# Altium PCB PCB.PcbDoc (part 1 of 5) (continued)
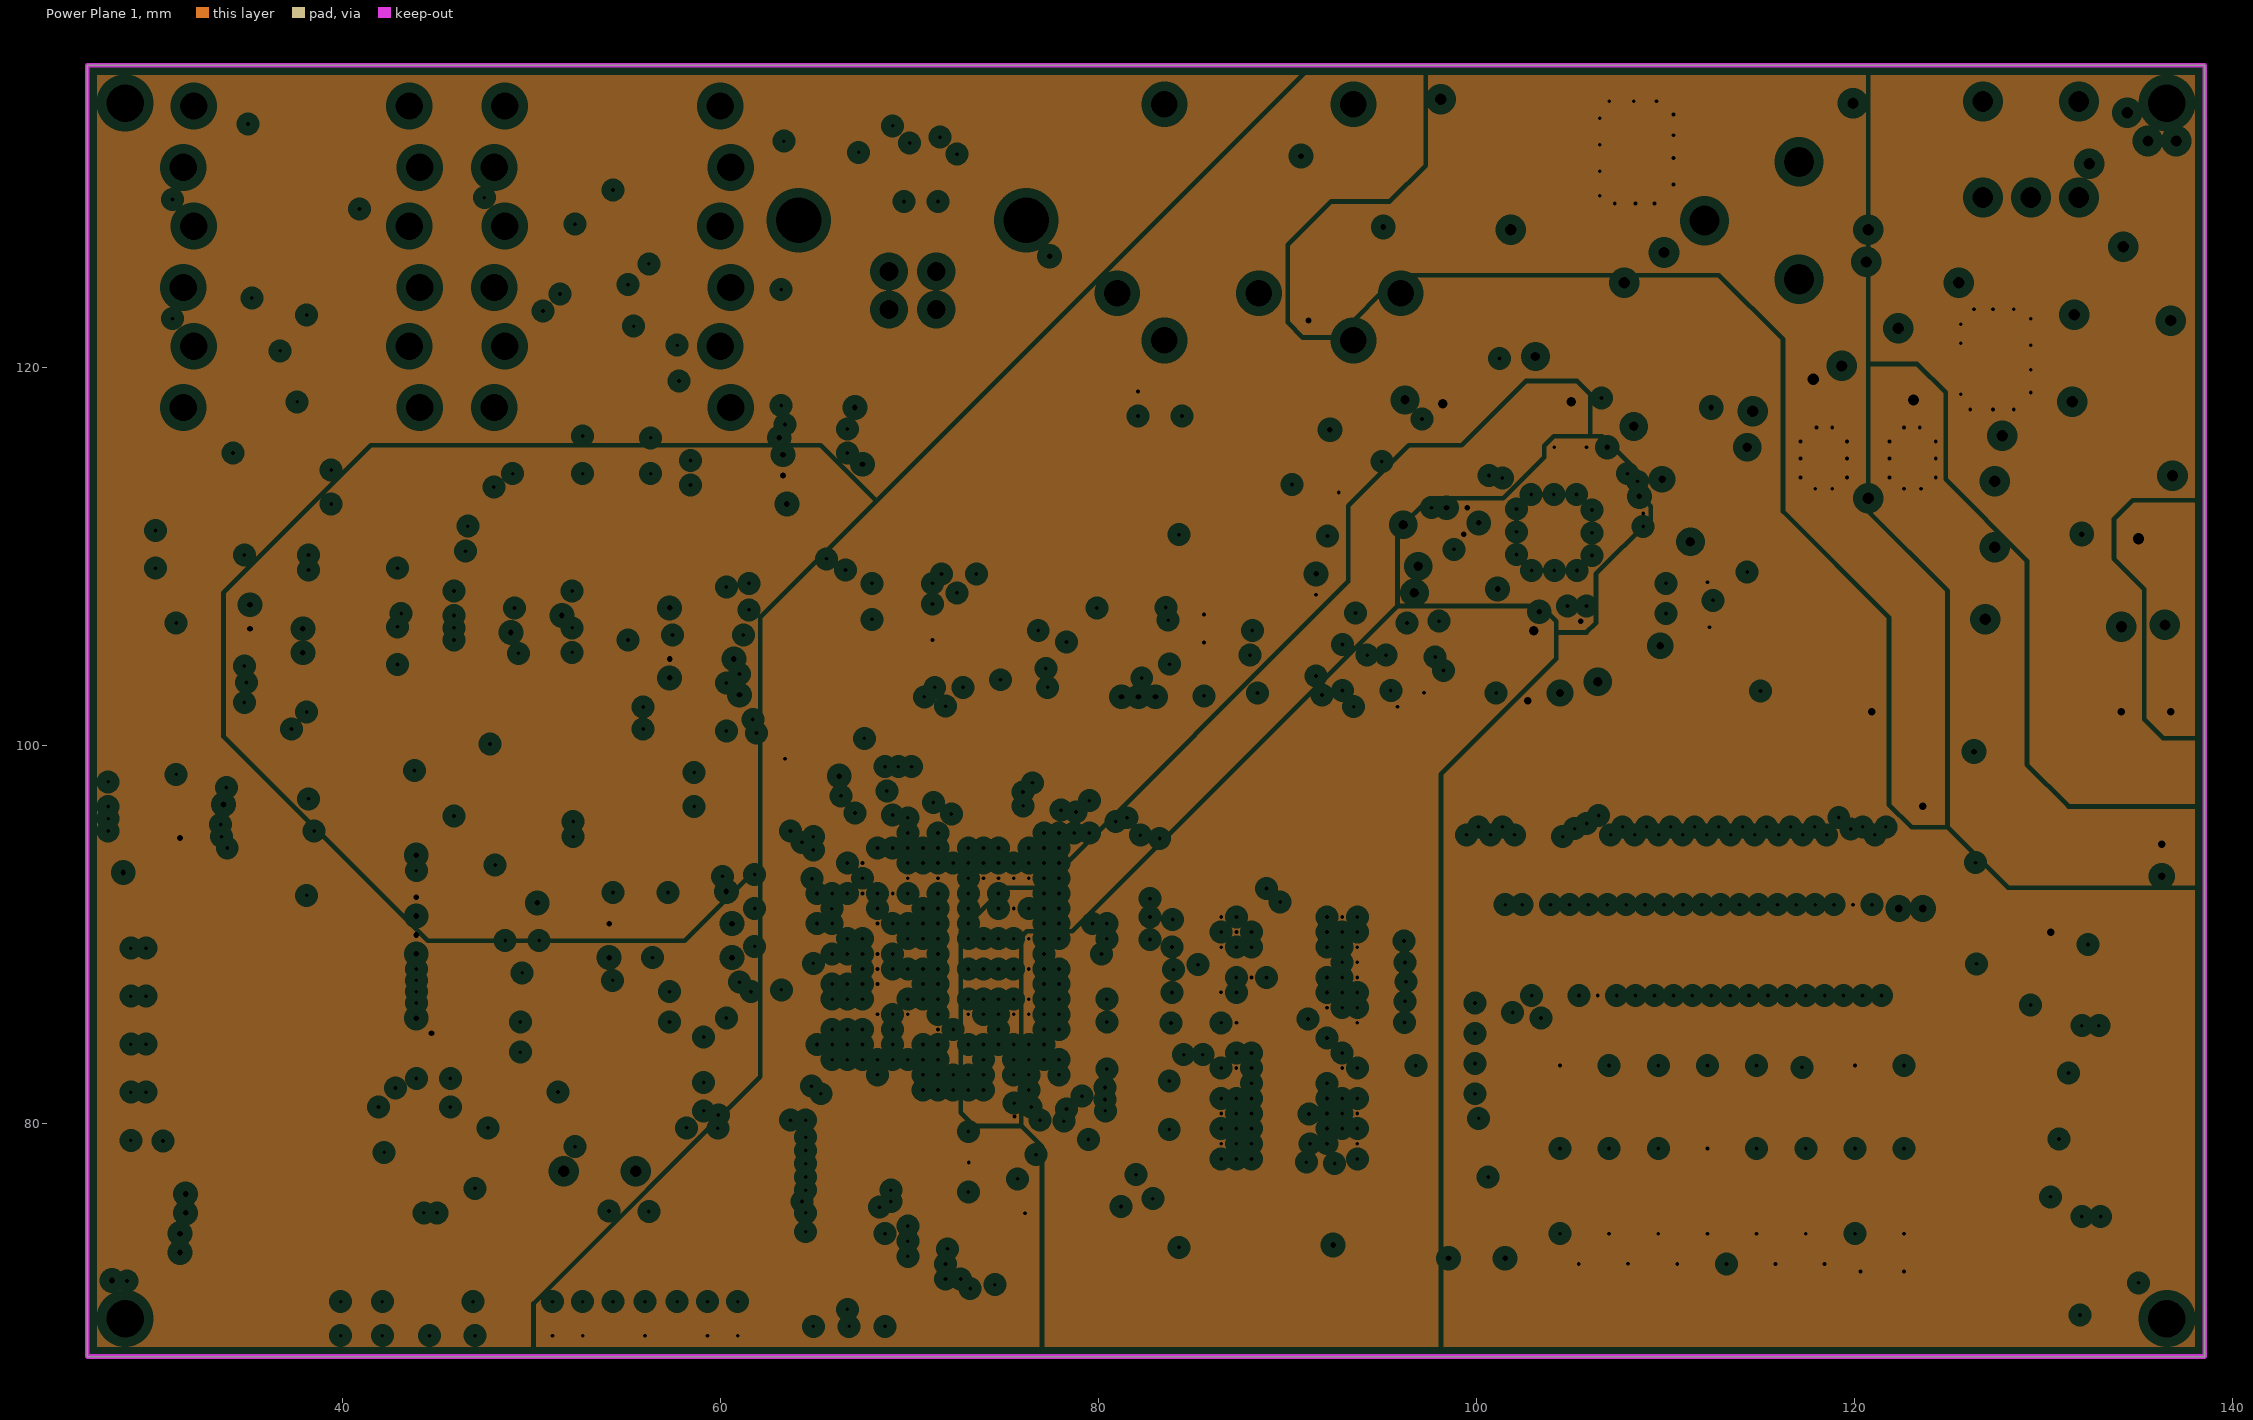
[diagram p4: Power Plane 1, clearances drawn from the general rule]
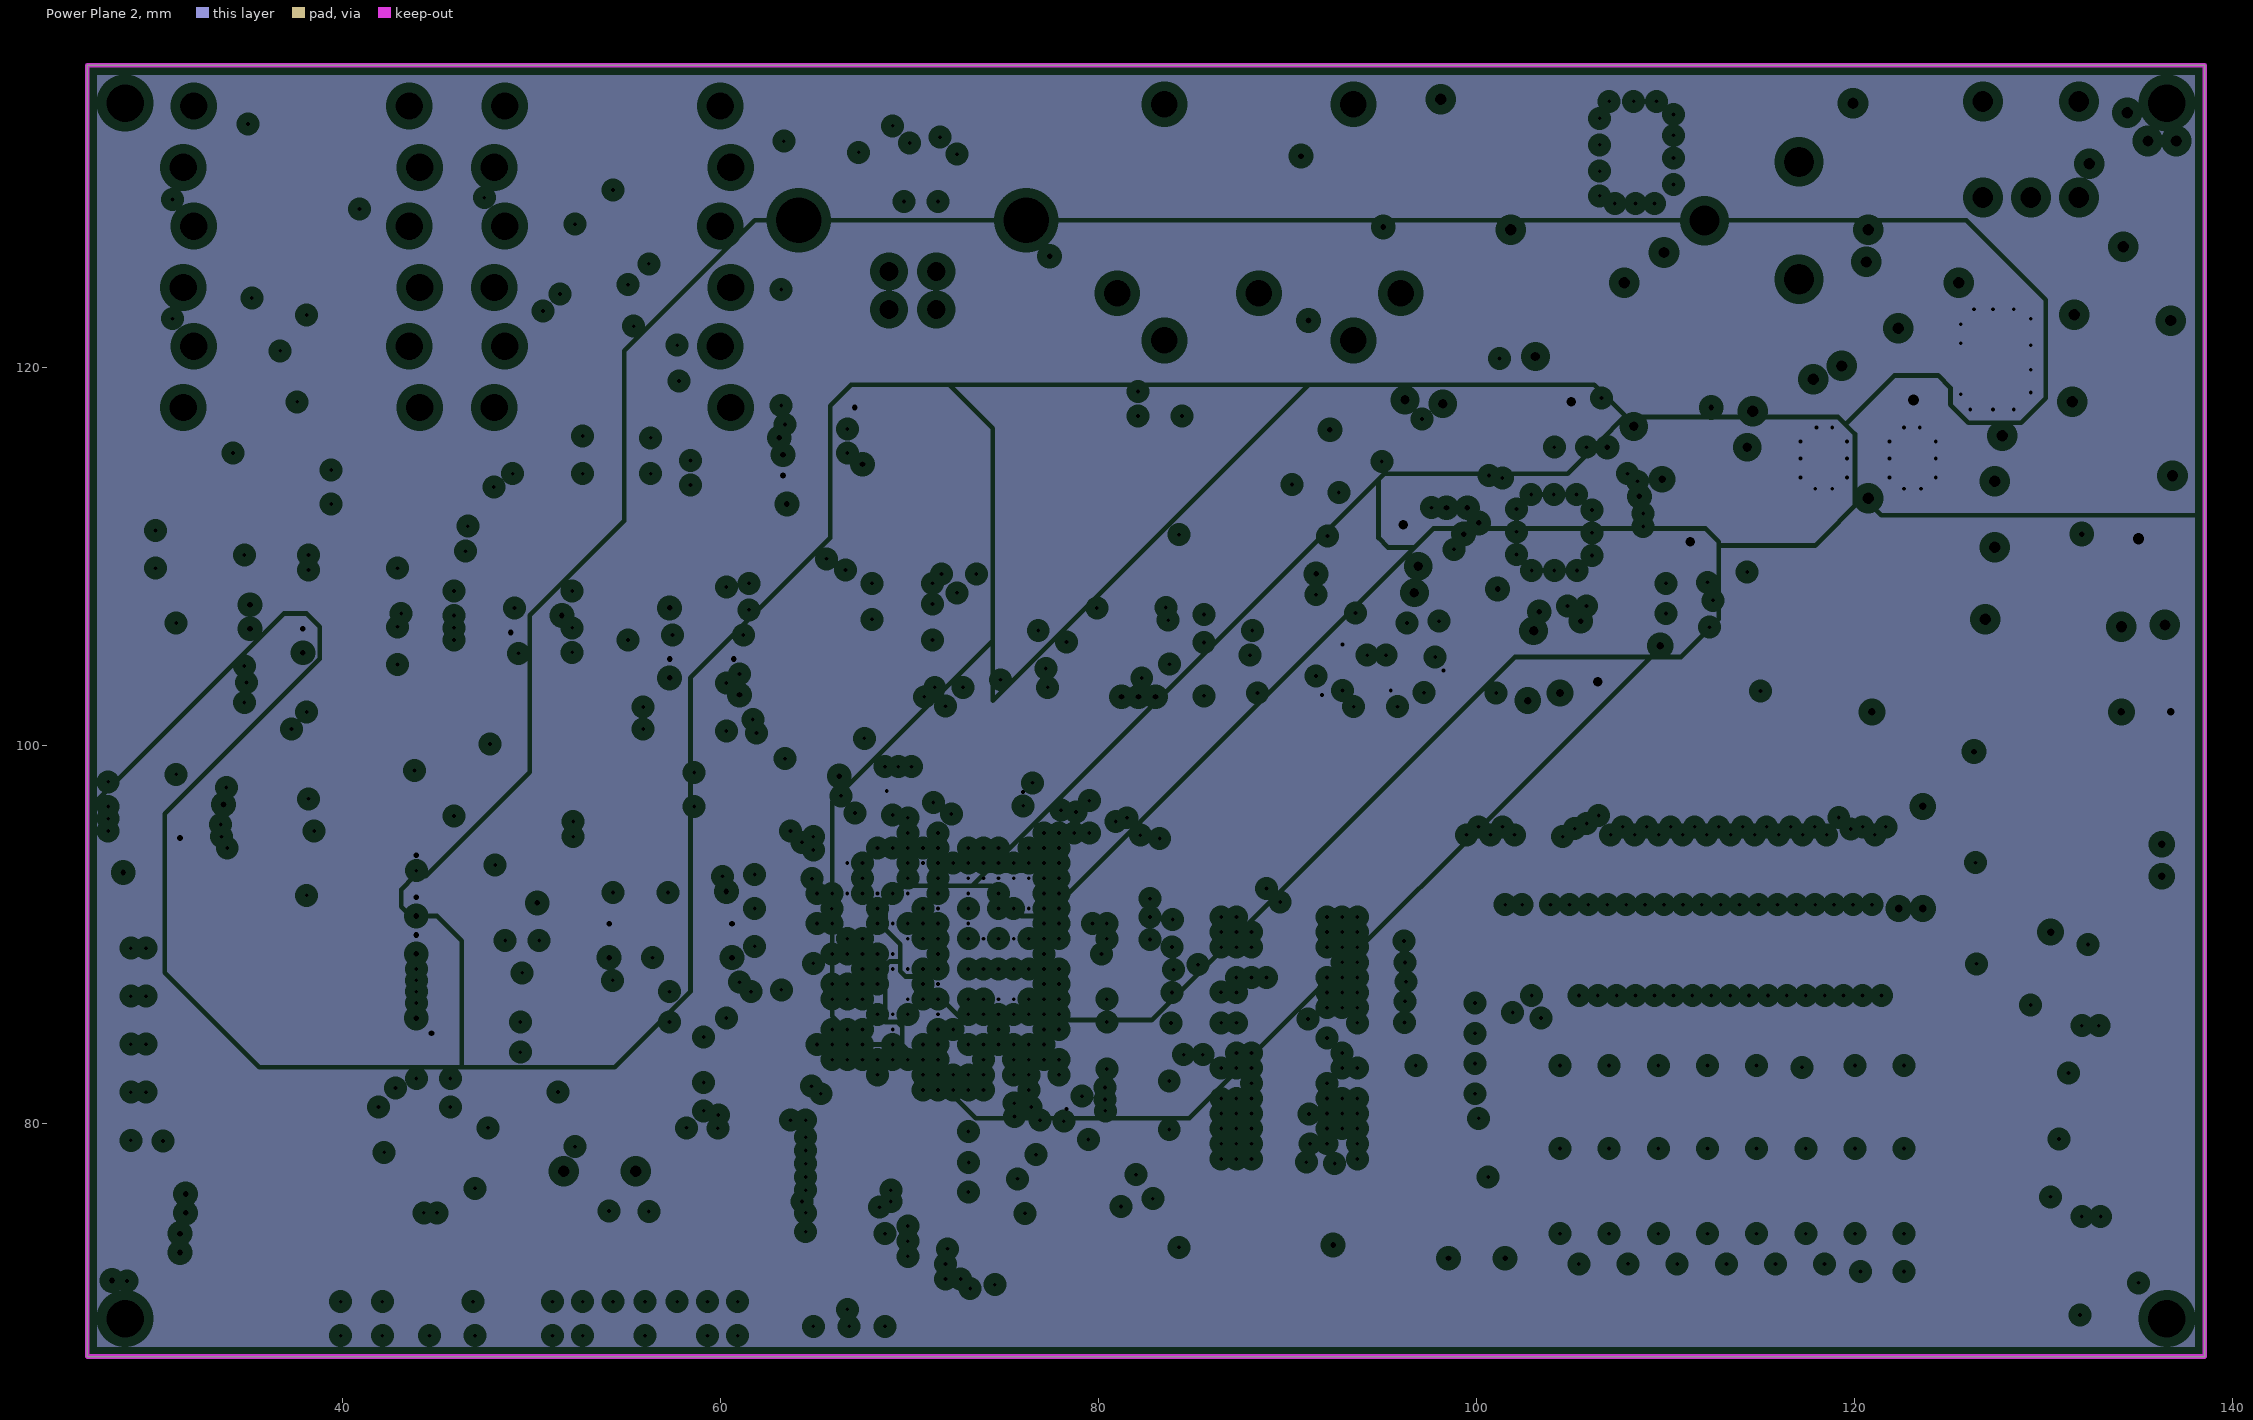
[diagram p5: Power Plane 2, clearances drawn from the general rule]
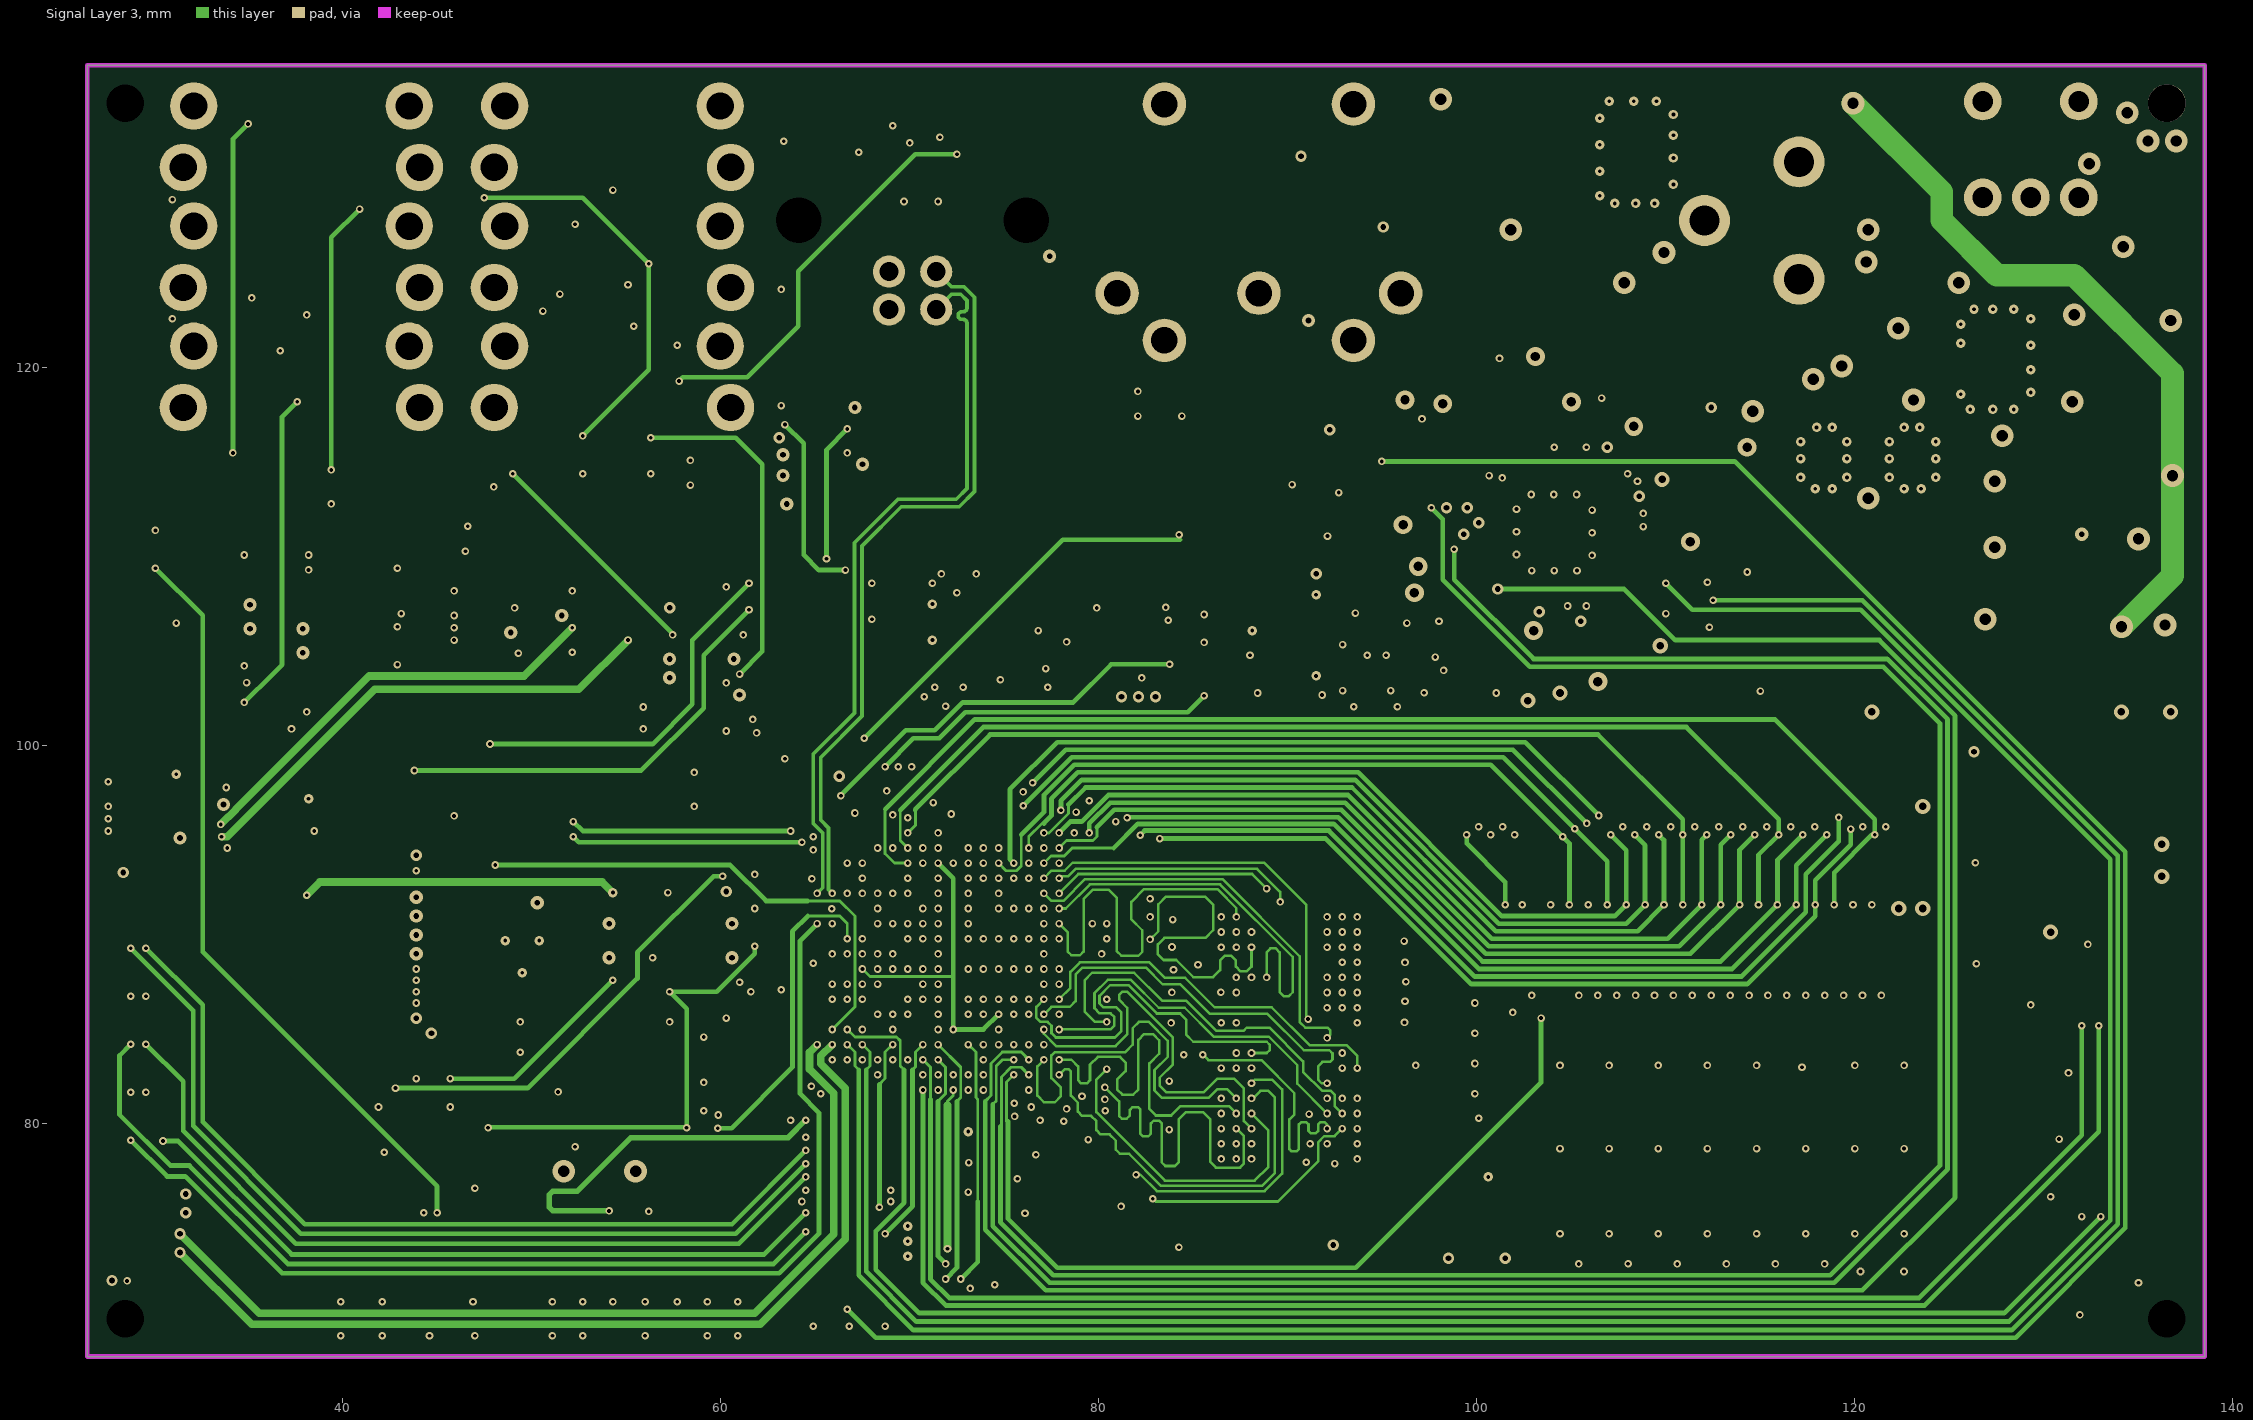
[diagram p6: Signal Layer 3]
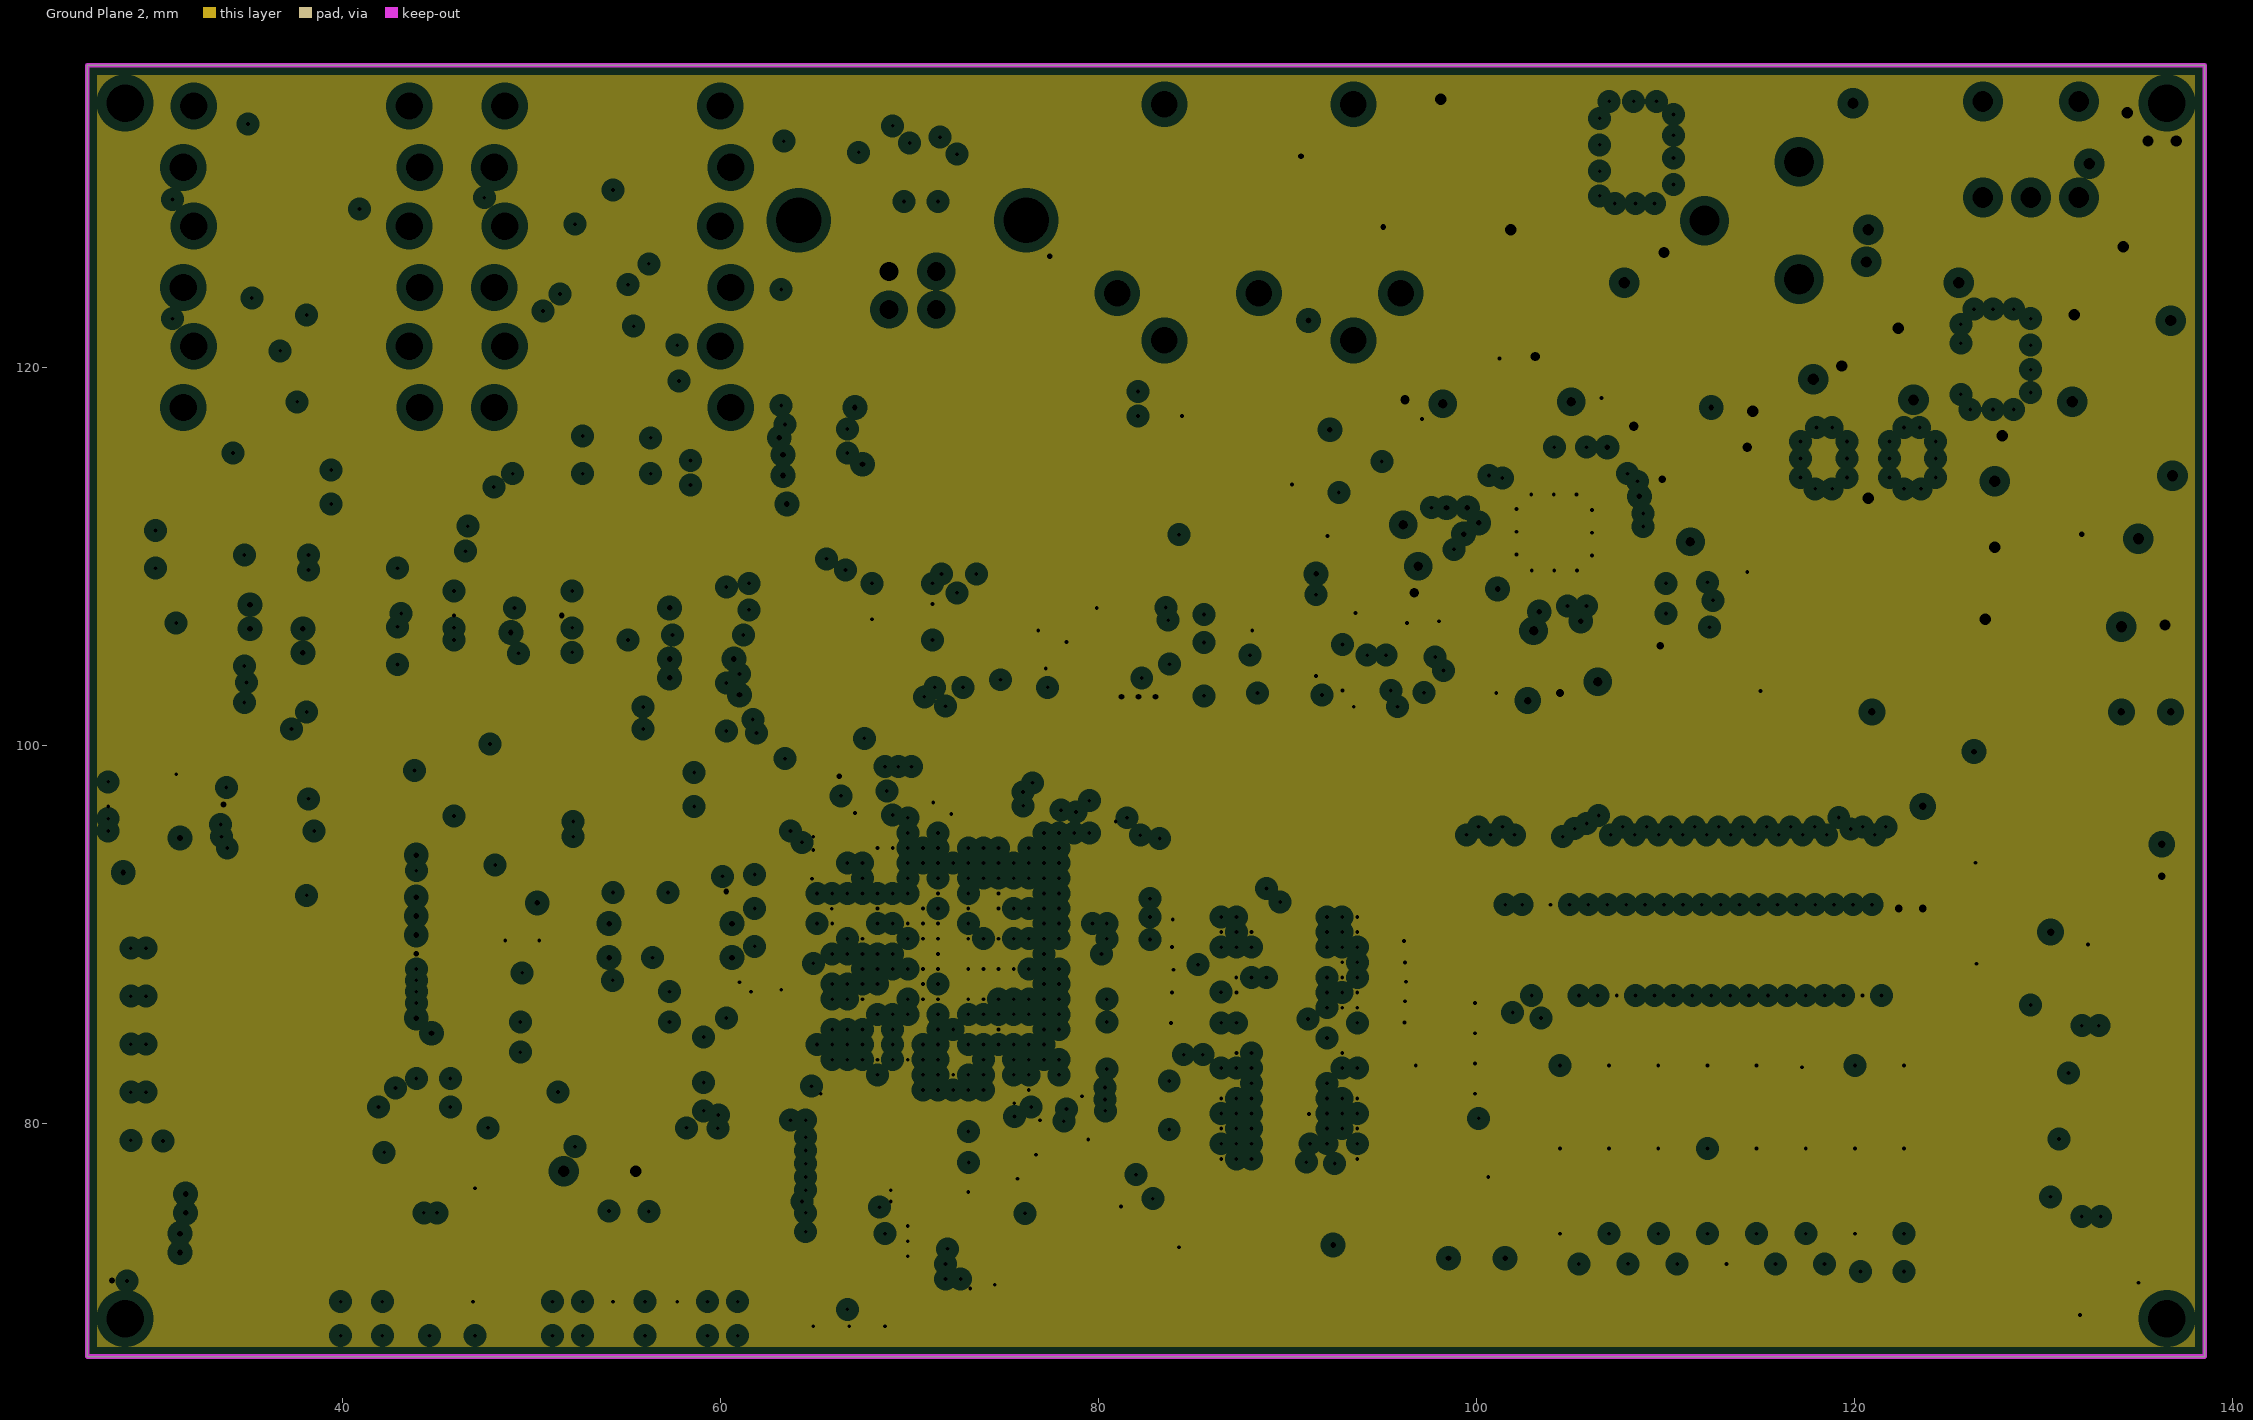
[diagram p7: Ground Plane 2, clearances drawn from the general rule]

## Layer stack, top to bottom
Top Solder: solder mask 0.0102, Solder Resist, Dk 3.7
Top Layer (Sig 1): signal copper 0.035
Dielectric 1: prepreg 0.2, FR-4, Dk 4.37
Ground Plane 1: plane copper 0.035, net (Multiple Nets)
Dielectric 2: core 0.2, FR-4, Dk 4.37
Signal Layer 2: signal copper 0.035
Dielectric 3: prepreg 0.2, FR-4, Dk 4.37
Power Plane 1: plane copper 0.035, net (Multiple Nets)
Dielectric 4: core 0.2, FR-4, Dk 4.37
Power Plane 2: plane copper 0.035, net (Multiple Nets)
Dielectric 5: prepreg 0.2, FR-4, Dk 4.37
Signal Layer 3: signal copper 0.035
Dielectric 6: core 0.2, FR-4, Dk 4.37
Ground Plane 2: plane copper 0.035, net GND
Dielectric 7: prepreg 0.2, FR-4, Dk 4.37
Bottom Layer (Sig 4): signal copper 0.035
Bottom Solder: solder mask 0.0102, Solder Resist, Dk 3.7

## Board outline
26.5,67.7 26.5,136 138.5,136 138.5,67.7

## Design rules (kind name [scope] priority, off if disabled: settings)
Clearance "Clearance GND-AGND" [InNet('AGND') vs InNet('GND')] p1: gap=0 ignorepadtopadclearanceinfootprint=FALSE
Clearance [All] p2: gap=0.064 ignorepadtopadclearanceinfootprint=FALSE except(0: Arc-Hole Track-Hole SMDPad-Hole THPad-Hole Via-Hole Fill-Hole Poly-Hole Region-Hole Text-Hole)
DiffPairsRouting DiffPair_DQSUDiffPairsRouting [InDifferentialPair ('ADQSU')] p1: maxlimit=0.2 minlimit=0.1 mostfreqgap=0.16 toplayer_prefgap=0.1 toplayer_minwidth=0.1 toplayer_maxwidth=0.226 toplayer_prefwidth=0.13 midlayer1_mingap=0.16 midlayer1_minwidth=0.1 midlayer1_maxwidth=0.149 midlayer1_prefwidth=0.12 midlayer2_mingap=0.16 midlayer2_minwidth=0.1 midlayer2_maxwidth=0.149 midlayer2_prefwidth=0.12 bottomlayer_prefgap=0.1 bottomlayer_minwidth=0.1 bottomlayer_maxwidth=0.226 bottomlayer_prefwidth=0.16 maxuncoupledlength=12.7
DiffPairsRouting DiffPair_DQSLDiffPairsRouting [InDifferentialPair ('ADQSL')] p2: maxlimit=0.2 minlimit=0.1 mostfreqgap=0.16 toplayer_prefgap=0.1 toplayer_minwidth=0.1 toplayer_maxwidth=0.226 toplayer_prefwidth=0.13 midlayer1_mingap=0.16 midlayer1_minwidth=0.1 midlayer1_maxwidth=0.149 midlayer1_prefwidth=0.12 midlayer2_mingap=0.16 midlayer2_minwidth=0.1 midlayer2_maxwidth=0.149 midlayer2_prefwidth=0.12 bottomlayer_prefgap=0.1 bottomlayer_minwidth=0.1 bottomlayer_maxwidth=0.226 bottomlayer_prefwidth=0.13 maxuncoupledlength=12.7
DiffPairsRouting DiffPair_CKDiffPairsRouting [InDifferentialPair ('ACK')] p3: maxlimit=0.2 minlimit=0.1 mostfreqgap=0.16 toplayer_prefgap=0.1 toplayer_minwidth=0.1 toplayer_maxwidth=0.226 toplayer_prefwidth=0.13 midlayer1_minwidth=0.1 midlayer1_maxwidth=0.149 midlayer1_prefwidth=0.12 midlayer2_minwidth=0.1 midlayer2_maxwidth=0.149 midlayer2_prefwidth=0.12 bottomlayer_prefgap=0.1 bottomlayer_minwidth=0.1 bottomlayer_maxwidth=0.226 bottomlayer_prefwidth=0.13 maxuncoupledlength=12.7
DiffPairsRouting DiffPair_DiffPairsRouting [InDifferentialPair ('SB')] p4: maxlimit=0.254 minlimit=0.2 mostfreqgap=0.2 toplayer_minwidth=0.2 toplayer_maxwidth=0.2 toplayer_prefwidth=0.2 midlayer1_minwidth=0.2 midlayer1_maxwidth=0.2 midlayer1_prefwidth=0.2 midlayer2_minwidth=0.2 midlayer2_maxwidth=0.2 midlayer2_prefwidth=0.2 bottomlayer_minwidth=0.2 bottomlayer_maxwidth=0.2 bottomlayer_prefwidth=0.2 maxuncoupledlength=12.7
DiffPairsRouting DiffPair_90DiffPairsRouting [InDifferentialPair ('SB')] p5: maxlimit=0.2 minlimit=0.2 mostfreqgap=0.2 toplayer_minwidth=0.2 toplayer_maxwidth=0.2 toplayer_prefwidth=0.2 midlayer1_minwidth=0.2 midlayer1_maxwidth=0.2 midlayer1_prefwidth=0.2 midlayer2_minwidth=0.2 midlayer2_maxwidth=0.2 midlayer2_prefwidth=0.2 bottomlayer_minwidth=0.2 bottomlayer_maxwidth=0.2 bottomlayer_prefwidth=0.2 maxuncoupledlength=12.7
DiffPairsRouting [All] p6: maxlimit=0.254 minlimit=0.254 mostfreqgap=0.254 toplayer_minwidth=0.381 toplayer_maxwidth=0.381 toplayer_prefwidth=0.381 midlayer1_minwidth=0.381 midlayer1_maxwidth=0.381 midlayer1_prefwidth=0.381 midlayer2_minwidth=0.381 midlayer2_maxwidth=0.381 midlayer2_prefwidth=0.381 bottomlayer_minwidth=0.381 bottomlayer_maxwidth=0.381 bottomlayer_prefwidth=0.381 maxuncoupledlength=12.7
Height [All] p1: minheight=0 maxheight=50 prefheight=12.7
HoleSize [All] p1: absolutevalues=TRUE maxlimit=10 minlimit=0.2 maxpercent=80.000 minpercent=20.000
HoleToHoleClearance [All] p1: gap=0.25 allowstackedmicrovias=TRUE
MatchedLengths DiffPair_DQSUMatchedLengths [InDifferentialPair ('ADQSU')] p1: tolerance=0 checknetsindiffpair=FALSE checkdiffpairvsdiffpair=TRUE checkxsignals=TRUE checkothers=TRUE
MatchedLengths DiffPair_DQSLMatchedLengths [InDifferentialPair ('ADQSL')] p2: tolerance=0 checknetsindiffpair=TRUE checkdiffpairvsdiffpair=FALSE checkxsignals=FALSE checkothers=FALSE
MatchedLengths DiffPair_CKMatchedLengths [InDifferentialPair ('ACK')] p3: tolerance=0.1 checknetsindiffpair=TRUE checkdiffpairvsdiffpair=FALSE checkxsignals=FALSE checkothers=FALSE
MatchedLengths DiffPair_MatchedLengths [InDifferentialPair ('SB')] p4: tolerance=25.4 checknetsindiffpair=FALSE checkdiffpairvsdiffpair=TRUE checkxsignals=TRUE checkothers=TRUE
MatchedLengths DiffPair_90MatchedLengths [InDifferentialPair ('SB')] p5: tolerance=0.5 checknetsindiffpair=TRUE checkdiffpairvsdiffpair=FALSE checkxsignals=FALSE checkothers=FALSE
MinimumSolderMaskSliver [All] p1: minsoldermaskwidth=0.064
PasteMaskExpansion [All] p1: expansion=0.05
PlaneClearance Clearance_Vias_1.2 [(AsMM(ViaDiameter) = 1.2)] p1: clearance=0.5
PlaneClearance Clearance_Vias_1.0 [(AsMM(ViaDiameter) = 1.0)] p2: clearance=0.45
PlaneClearance Clearance_Vias_0.8 [(AsMM(ViaDiameter) = 0.8)] p3: clearance=0.35
PlaneClearance Clearance_Vias_0.7 [(AsMM(ViaDiameter) = 0.7)] p4: clearance=0.35
PlaneClearance Clearance_Vias_0.6 [(AsMM(ViaDiameter) = 0.6)] p5: clearance=0.3
PlaneClearance Clearance_Vias_0.5 [(AsMM(ViaDiameter) = 0.5)] p6: clearance=0.25
PlaneClearance Clearance_Vias_0.4 [(AsMM(ViaDiameter) = 0.4)] p7: clearance=0.2
PlaneClearance Clearance_Pads [(ObjectKind = 'Pad') And (Layer = 'MultiLayer')  And (AsMM(HoleDiameter) <> 2) And (AsMM(HoleDiameter) <> 2.4) And (AsMM(HoleDiameter) <> 1.1) And (AsMM(HoleDiameter) <> 1.0) And (Component <> 'G1')] p8: clearance=0.8
PlaneClearance Clearance_Pads_1.0-1.1 [(ObjectKind = 'Pad') And (Layer = 'MultiLayer') And ((AsMM(HoleDiameter) = 1.1) Or (AsMM(HoleDiameter) = 1.0))] p9: clearance=0.7
PlaneClearance Clearance_Holes [(ObjectKind = 'Pad') And (Layer = 'MultiLayer') And ((AsMM(HoleDiameter) = 2) Or (AsMM(HoleDiameter) = 2.4))] p10: clearance=0.25
PlaneConnect Plane_Connect_Vias [(ObjectKind = 'Via')] p1: planeconnectstyle=Direct reliefexpansion=0.1 reliefentries=4 reliefconductorwidth=0.1 reliefairgap=0.1
PlaneConnect DoubleJack_Connect [(ObjectKind = 'Pad') And (Layer = 'MultiLayer') And (AsMM(PadXSize_AllLayers) = 2.5) And (AsMM(PadYSize_AllLayers) = 2.5)] p2: planeconnectstyle=Relief reliefexpansion=0.65 reliefentries=4 reliefconductorwidth=1.25 reliefairgap=0.32
PlaneConnect USB_Connect [(ObjectKind = 'Pad') And (Layer = 'MultiLayer') And (AsMM(PadXSize_AllLayers) = 1.7) And (AsMM(PadYSize_AllLayers) = 1.7)] p3: planeconnectstyle=Relief reliefexpansion=0.4 reliefentries=4 reliefconductorwidth=0.85 reliefairgap=0.2
PolygonConnect [InNet('AGND') vs InNet('GND')] p1: connectstyle=Relief reliefconductorwidth=0.25 reliefentries=4 polygonreliefangle="90 Angle" airgapwidth=0.25
RoutingCorners [All] p1: cornerstyle=45-Degree minsetback=2.5 maxsetback=2.5
RoutingVias [All] p1: holewidth=0.2 width=0.4 viastyle="Through Hole" minholewidth=0.2 minwidth=0.4 maxholewidth=10 maxwidth=11
ShortCircuit "GND-AGND Connection" [InNet('GND') vs InNet('AGND')] p1: allowed=TRUE
SilkToSilkClearance SilkToSilkClearance_1 [OnLayer('Top Overlay') vs OnLayer('Top Overlay')] p1: silktosilkclearance=0
SilkToSilkClearance [All] p2: silktosilkclearance=0
SilkToSolderMaskClearance [IsPad] p1: minsilkscreentomaskgap=0.15 clearancetoexposedcopper=TRUE
SolderMaskExpansion [All] p1: expansion=0.05
Width [All] p1: maxlimit=10 minlimit=0.1 preferedwidth=0.5
18 further rules are at their usual default settings.
